# KiCad board pcb.kicad_pcb
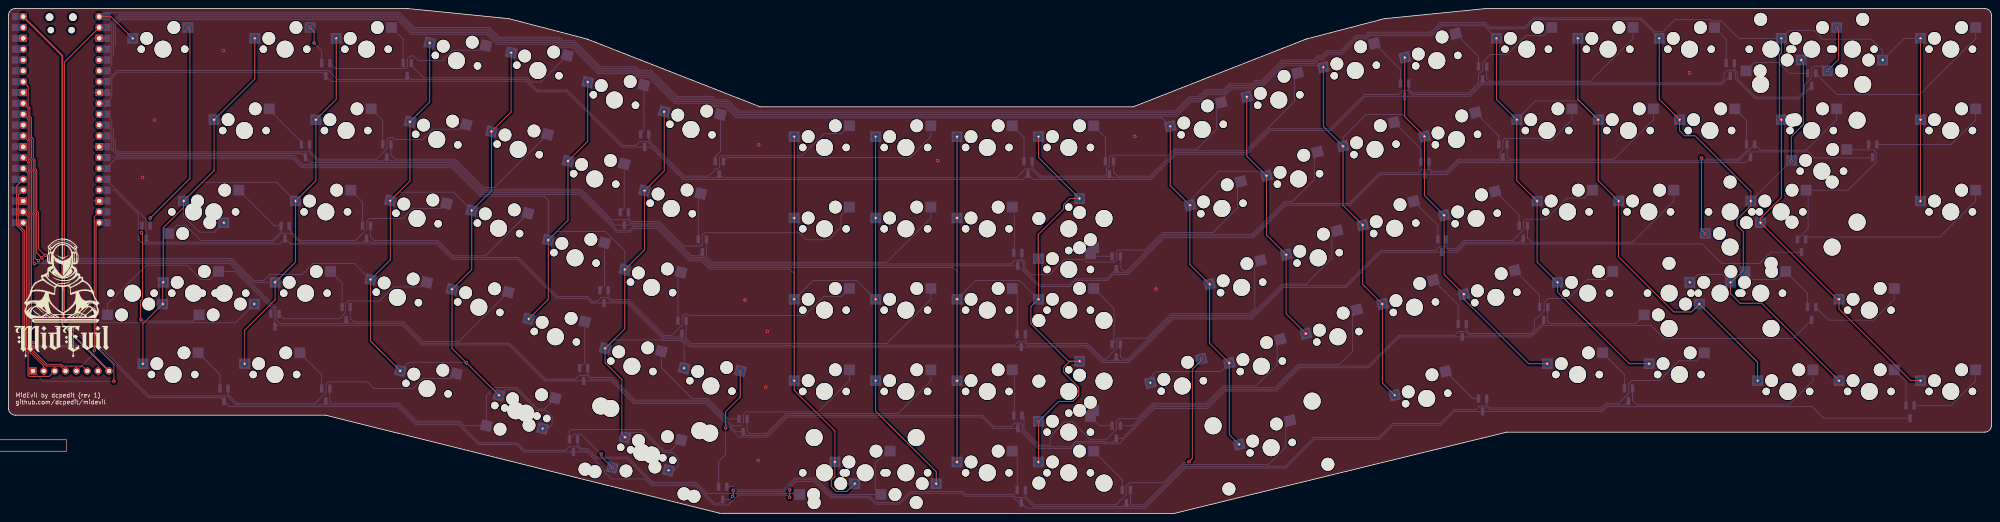
[diagram p0: board, top side]
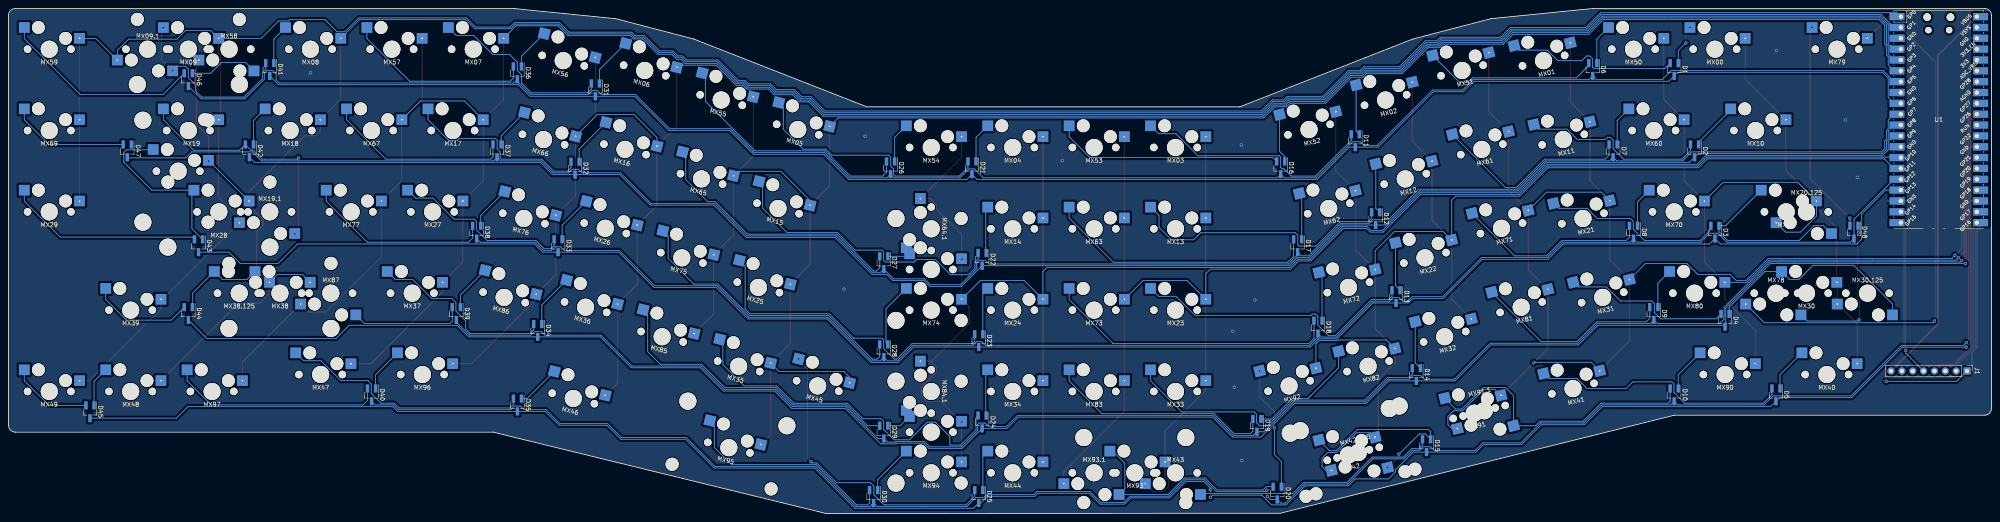
[diagram p1: board, bottom side, seen from below]

Outline 463.96 x 118.27 mm; copper layers: Top, Bottom. Coordinates in mm from the lower left corner of the outline.
Outline path: 0,116.68 0,24.61 arc(0.46,23.48) 1.59,23.02 74.17,23.02 166.42,0.04 272.67,0 350.52,19.05 462.38,19.05 arc(463.5,19.51) 463.96,20.64 463.96,116.68 arc(463.5,117.8) 462.38,118.27 345.69,118.27 321.88,115.89 303.63,111.12 263.14,95.25 175.83,95.25 135.35,111.12 117.09,115.89 93.28,118.27 1.59,118.27 arc(0.46,117.8) 0,116.68

## Placement (name value [footprint] x y rotation side)
D1  BAV70  [SOT-23_Handsoldering]  74.23 103.98 270 bottom
D2  BAV70  [SOT-23_Handsoldering]  69.47 84.93 270 bottom
D3  BAV70  [SOT-23_Handsoldering]  64.71 65.88 270 bottom
D4  BAV70  [SOT-23_Handsoldering]  62.33 45.24 270 bottom
D5  BAV70  [SOT-23_Handsoldering]  50.42 27.78 270 bottom
D6  BAV70  [SOT-23_Handsoldering]  93.28 103.98 270 bottom
D7  BAV70  [SOT-23_Handsoldering]  88.52 84.93 270 bottom
D8  BAV70  [SOT-23_Handsoldering]  83.76 65.88 270 bottom
D9  BAV70  [SOT-23_Handsoldering]  78.99 46.83 270 bottom
D10  BAV70  [SOT-23_Handsoldering]  74.23 27.78 270 bottom
D11  BAV70  [SOT-23_Handsoldering]  148.84 87.31 270 bottom
D12  BAV70  [SOT-23_Handsoldering]  144.08 69.06 270 bottom
D13  BAV70  [SOT-23_Handsoldering]  139.32 50.8 270 bottom
D14  BAV70  [SOT-23_Handsoldering]  134.56 32.54 270 bottom
D15  BAV70  [SOT-23_Handsoldering]  132.18 15.88 270 bottom
D16  BAV70  [SOT-23_Handsoldering]  166.31 80.96 270 bottom
D17  BAV70  [SOT-23_Handsoldering]  162.34 62.71 270 bottom
D18  BAV70  [SOT-23_Handsoldering]  157.58 43.66 270 bottom
D19  BAV70  [SOT-23_Handsoldering]  171.86 20.64 270 bottom
D20  BAV70  [SOT-23_Handsoldering]  167.1 4.76 270 bottom
D21  BAV70  [SOT-23_Handsoldering]  238.54 80.96 270 bottom
D22  BAV70  [SOT-23_Handsoldering]  236.16 59.53 270 bottom
D23  BAV70  [SOT-23_Handsoldering]  236.95 40.48 270 bottom
D24  BAV70  [SOT-23_Handsoldering]  236.16 21.43 270 bottom
D25  BAV70  [SOT-23_Handsoldering]  236.95 3.97 270 bottom
D26  BAV70  [SOT-23_Handsoldering]  257.59 80.96 270 bottom
D27  BAV70  [SOT-23_Handsoldering]  259.18 58.74 270 bottom
D28  BAV70  [SOT-23_Handsoldering]  259.18 38.1 270 bottom
D29  BAV70  [SOT-23_Handsoldering]  259.18 19.05 270 bottom
D30  BAV70  [SOT-23_Handsoldering]  261.56 3.97 270 bottom
D31  BAV70  [SOT-23_Handsoldering]  326.64 99.22 270 bottom
D32  BAV70  [SOT-23_Handsoldering]  331.41 80.88 270 bottom
D33  BAV70  [SOT-23_Handsoldering]  335.38 62.71 270 bottom
D34  BAV70  [SOT-23_Handsoldering]  340.14 42.86 270 bottom
D35  BAV70  [SOT-23_Handsoldering]  344.9 25.4 270 bottom
D36  BAV70  [SOT-23_Handsoldering]  344.9 103.19 270 bottom
D37  BAV70  [SOT-23_Handsoldering]  349.66 84.93 270 bottom
D38  BAV70  [SOT-23_Handsoldering]  354.43 65.88 270 bottom
D39  BAV70  [SOT-23_Handsoldering]  359.19 46.83 270 bottom
D40  BAV70  [SOT-23_Handsoldering]  379.03 27.78 270 bottom
D41  BAV70  [SOT-23_Handsoldering]  402.84 103.98 270 bottom
D42  BAV70  [SOT-23_Handsoldering]  407.61 84.93 270 bottom
D43  BAV70  [SOT-23_Handsoldering]  419.51 62.71 270 bottom
D44  BAV70  [SOT-23_Handsoldering]  421.89 46.83 270 bottom
D45  BAV70  [SOT-23_Handsoldering]  444.91 23.81 270 bottom
D46  BAV70  [SOT-23_Handsoldering]  421.89 101.6 270 bottom
D47  BAV70  [SOT-23_Handsoldering]  436.18 84.93 270 bottom
D48  BAV70  [SOT-23_Handsoldering]  32.16 65.88 270 bottom
G***  LOGO  [midevil]  12.45 50.39 0 top
J1  Conn_01x08_Socket  [PinHeader_1x08_P2.54mm_Vertical]  5.71 33.37 270 bottom
MX00  MX-NoLED  [MXOnly-1U-Hotswap_w_VIA]  64.71 108.74 0 top
MX01  MX-NoLED  [MXOnly-1U-Hotswap_w_VIA]  104.8 106.06 346 top
MX02  MX-NoLED  [MXOnly-1U-Hotswap_w_VIA]  141.77 96.84 346 top
MX03  MX-NoLED  [MXOnly-1U-Hotswap_w_VIA]  190.91 85.73 0 top
MX04  MX-NoLED  [MXOnly-1U-Hotswap_w_VIA]  229.01 85.73 0 top
MX05  MX-NoLED  [MXOnly-1U-Hotswap_w_VIA]  279.3 89.92 14 top
MX06  MX-NoLED  [MXOnly-1U-Hotswap_w_VIA]  315.12 103.76 14 top
MX07  MX-NoLED  [MXOnly-1U-Hotswap_w_VIA]  355.22 108.74 0 top
MX08  MX-NoLED  [MXOnly-1U-Hotswap_w_VIA]  393.32 108.74 0 top
MX09  MX-NoLED  [MXOnly-2U-Hotswap_w_VIA]  421.89 108.74 0 top
MX09.1  MX-NoLED  [MXOnly-1U-Hotswap_w_VIA]  431.42 108.74 180 top
MX10  MX-NoLED  [MXOnly-1.5U-Hotswap_w_VIA]  55.18 89.69 0 top
MX11  MX-NoLED  [MXOnly-1U-Hotswap_w_VIA]  100.19 87.58 346 top
MX12  MX-NoLED  [MXOnly-1U-Hotswap_w_VIA]  137.16 78.36 346 top
MX13  MX-NoLED  [MXOnly-1U-Hotswap_w_VIA]  190.91 66.68 0 top
MX14  MX-NoLED  [MXOnly-1U-Hotswap_w_VIA]  229.01 66.68 0 top
MX15  MX-NoLED  [MXOnly-1U-Hotswap_w_VIA]  283.91 71.44 14 top
MX16  MX-NoLED  [MXOnly-1U-Hotswap_w_VIA]  319.73 85.28 14 top
MX17  MX-NoLED  [MXOnly-1U-Hotswap_w_VIA]  359.98 89.69 0 top
MX18  MX-NoLED  [MXOnly-1U-Hotswap_w_VIA]  398.08 89.69 0 top
MX19  MX-NoLED  [MXOnly-1.5U-Hotswap_w_VIA]  421.89 89.69 0 top
MX19.1  MX-NoLED  [MXOnly-1U-Hotswap_w_VIA]  402.84 70.64 180 top
MX20  MX-NoLED  [MXOnly-1.75U-Hotswap_w_VIA]  48.04 70.64 0 top
MX20.125  MX-NoLED  [MXOnly-1.25U-Hotswap_w_VIA]  43.28 70.64 180 top
MX21  MX-NoLED  [MXOnly-1U-Hotswap_w_VIA]  95.58 69.09 346 top
MX22  MX-NoLED  [MXOnly-1U-Hotswap_w_VIA]  132.55 59.88 346 top
MX23  MX-NoLED  [MXOnly-1U-Hotswap_w_VIA]  190.91 47.62 0 top
MX24  MX-NoLED  [MXOnly-1U-Hotswap_w_VIA]  229.01 47.62 0 top
MX25  MX-NoLED  [MXOnly-1U-Hotswap_w_VIA]  288.52 52.96 14 top
MX26  MX-NoLED  [MXOnly-1U-Hotswap_w_VIA]  324.34 66.79 14 top
MX27  MX-NoLED  [MXOnly-1U-Hotswap_w_VIA]  364.74 70.64 0 top
MX28  MX-NoLED  [MXOnly-2.25U-Hotswap_w_VIA]  414.75 70.64 0 top
MX28.2  MX-NoLED  [MXOnly-ISO-Hotswap]  424.28 80.17 0 top
MX29  MX-NoLED  [MXOnly-1U-Hotswap_w_VIA]  454.44 70.64 0 top
MX30  MX-NoLED  [MXOnly-1.75U-Hotswap_w_VIA]  43.28 51.59 0 top
MX30.125  MX-NoLED  [MXOnly-1.25U-Hotswap_w_VIA]  28.99 51.59 180 top
MX31  MX-NoLED  [MXOnly-1U-Hotswap_w_VIA]  90.97 50.61 346 top
MX32  MX-NoLED  [MXOnly-1U-Hotswap_w_VIA]  127.94 41.39 346 top
MX33  MX-NoLED  [MXOnly-1U-Hotswap_w_VIA]  190.91 28.57 0 top
MX34  MX-NoLED  [MXOnly-1U-Hotswap_w_VIA]  229.01 28.57 0 top
MX35  MX-NoLED  [MXOnly-1U-Hotswap_w_VIA]  293.13 34.47 14 top
MX36  MX-NoLED  [MXOnly-1U-Hotswap_w_VIA]  328.94 48.31 14 top
MX37  MX-NoLED  [MXOnly-1U-Hotswap_w_VIA]  369.51 51.59 0 top
MX38  MX-NoLED  [MXOnly-2.25U-Hotswap_w_VIA]  400.46 51.59 0 top
MX38.125  MX-NoLED  [MXOnly-1.25U-Hotswap_w_VIA]  409.99 51.59 0 top
MX39  MX-NoLED  [MXOnly-1U-Hotswap_w_VIA]  435.39 47.62 0 top
MX40  MX-NoLED  [MXOnly-1.25U-Hotswap_w_VIA]  38.51 32.54 0 top
MX41  MX-NoLED  [MXOnly-1.25U-Hotswap_w_VIA]  97.92 29.24 346 top
MX42  MX-NoLED  [MXOnly-2U-Hotswap-ReversedStabilizers_w_VIA]  150.48 13.68 346 top
MX42.225  MX-NoLED  [MXOnly-2.25U-Hotswap_w_VIA]  148.16 14.27 166 top
MX43  MX-NoLED  [MXOnly-1U-Hotswap_w_VIA]  190.91 9.53 180 top
MX44  MX-NoLED  [MXOnly-1U-Hotswap_w_VIA]  229.01 9.53 0 top
MX45  MX-NoLED  [MXOnly-1U-Hotswap_w_VIA]  274.64 29.86 14 top
MX46  MX-NoLED  [MXOnly-1.25U-Hotswap_w_VIA]  331.82 26.94 14 top
MX47  MX-NoLED  [MXOnly-1.25U-Hotswap_w_VIA]  390.94 32.54 0 top
MX48  MX-NoLED  [MXOnly-1U-Hotswap_w_VIA]  435.39 28.57 0 top
MX49  MX-NoLED  [MXOnly-1U-Hotswap_w_VIA]  454.44 28.57 0 top
MX50  MX-NoLED  [MXOnly-1U-Hotswap_w_VIA]  83.76 108.74 0 top
MX51  MX-NoLED  [MXOnly-1U-Hotswap_w_VIA]  123.86 103.76 346 top
MX52  MX-NoLED  [MXOnly-1U-Hotswap_w_VIA]  159.67 89.92 346 top
MX53  MX-NoLED  [MXOnly-1U-Hotswap_w_VIA]  209.96 85.73 0 top
MX54  MX-NoLED  [MXOnly-1U-Hotswap_w_VIA]  248.06 85.73 0 top
MX55  MX-NoLED  [MXOnly-1U-Hotswap_w_VIA]  297.21 96.84 14 top
MX56  MX-NoLED  [MXOnly-1U-Hotswap_w_VIA]  334.18 106.06 14 top
MX57  MX-NoLED  [MXOnly-1U-Hotswap_w_VIA]  374.27 108.74 0 top
MX58  MX-NoLED  [MXOnly-1U-Hotswap_w_VIA]  412.37 108.74 180 top
MX59  MX-NoLED  [MXOnly-1U-Hotswap_w_VIA]  454.44 108.74 0 top
MX60  MX-NoLED  [MXOnly-1U-Hotswap_w_VIA]  78.99 89.69 0 top
MX61  MX-NoLED  [MXOnly-1U-Hotswap_w_VIA]  119.25 85.28 346 top
MX62  MX-NoLED  [MXOnly-1U-Hotswap_w_VIA]  155.07 71.44 346 top
MX63  MX-NoLED  [MXOnly-1U-Hotswap_w_VIA]  209.96 66.68 0 top
MX64  MX-NoLED  [MXOnly-2U-Hotswap-VerticalStabilizers]  248.06 57.15 0 top
MX64.1  MX-NoLED  [MXOnly-1U-Hotswap_w_VIA]  248.06 66.68 270 top
MX65  MX-NoLED  [MXOnly-1U-Hotswap_w_VIA]  301.82 78.36 14 top
MX66  MX-NoLED  [MXOnly-1U-Hotswap_w_VIA]  338.79 87.58 14 top
MX67  MX-NoLED  [MXOnly-1U-Hotswap_w_VIA]  379.03 89.69 0 top
MX69  MX-NoLED  [MXOnly-1U-Hotswap_w_VIA]  454.44 89.69 0 top
MX70  MX-NoLED  [MXOnly-1U-Hotswap_w_VIA]  74.23 70.64 0 top
MX71  MX-NoLED  [MXOnly-1U-Hotswap_w_VIA]  114.64 66.79 346 top
MX72  MX-NoLED  [MXOnly-1U-Hotswap_w_VIA]  150.46 52.96 346 top
MX73  MX-NoLED  [MXOnly-1U-Hotswap_w_VIA]  209.96 47.62 0 top
MX74  MX-NoLED  [MXOnly-1U-Hotswap_w_VIA]  248.06 47.62 0 top
MX75  MX-NoLED  [MXOnly-1U-Hotswap_w_VIA]  306.43 59.88 14 top
MX76  MX-NoLED  [MXOnly-1U-Hotswap_w_VIA]  343.4 69.09 14 top
MX77  MX-NoLED  [MXOnly-1U-Hotswap_w_VIA]  383.79 70.64 0 top
MX78  MX-NoLED  [MXOnly-1U-Hotswap_w_VIA]  50.42 51.59 180 top
MX79  MX-NoLED  [MXOnly-1U-Hotswap_w_VIA]  36.13 108.74 0 top
MX80  MX-NoLED  [MXOnly-1U-Hotswap_w_VIA]  69.47 51.59 0 top
MX81  MX-NoLED  [MXOnly-1U-Hotswap_w_VIA]  110.03 48.31 346 top
MX82  MX-NoLED  [MXOnly-1U-Hotswap_w_VIA]  145.85 34.47 346 top
MX83  MX-NoLED  [MXOnly-1U-Hotswap_w_VIA]  209.96 28.57 0 top
MX84  MX-NoLED  [MXOnly-2U-Hotswap-VerticalStabilizers]  248.06 19.05 0 top
MX84.1  MX-NoLED  [MXOnly-1U-Hotswap_w_VIA]  248.06 28.57 270 top
MX85  MX-NoLED  [MXOnly-1U-Hotswap_w_VIA]  311.04 41.39 14 top
MX86  MX-NoLED  [MXOnly-1U-Hotswap_w_VIA]  348 50.61 14 top
MX87  MX-NoLED  [MXOnly-1U-Hotswap_w_VIA]  388.56 51.59 180 top
MX90  MX-NoLED  [MXOnly-1.25U-Hotswap_w_VIA]  62.33 32.54 0 top
MX91  MX-NoLED  [MXOnly-1.25U-Hotswap_w_VIA]  121.02 23.48 346 top
MX91.1  MX-NoLED  [MXOnly-1U-Hotswap_w_VIA]  118.7 24.06 166 top
MX92  MX-NoLED  [MXOnly-1U-Hotswap_w_VIA]  164.33 29.86 346 top
MX93  MX-NoLED  [MXOnly-2U-Hotswap-ReversedStabilizers_w_VIA]  200.44 9.53 0 top
MX93.1  MX-NoLED  [MXOnly-1U-Hotswap_w_VIA]  209.96 9.53 180 top
MX94  MX-NoLED  [MXOnly-1U-Hotswap_w_VIA]  248.06 9.53 0 top
MX95  MX-NoLED  [MXOnly-2.75U-Hotswap-ReversedStabilizers_w_VIA]  295.43 15.41 14 top
MX96  MX-NoLED  [MXOnly-1.25U-Hotswap_w_VIA]  367.13 32.54 0 top
MX97  MX-NoLED  [MXOnly-1U-Hotswap_w_VIA]  416.34 28.57 0 top
REF**  -  [ILI9488 Display]  -4.35 70.64 90 top
U1  Pico  [RPi_Pico_SMD_TH]  12.32 92.25 180 bottom

## Library data of the parts
D1-D48 = -: Description: Dual 100V 215mA high-speed switching diodes, common cathode, SOT-23
J1 = -: Description: Generic connector, single row, 01x08, script generated

## Footprints (pads in the part's own frame, mm; a bottom-side part is the same pattern mirrored in y, then rotated)
MXOnly-1.5U-Hotswap_w_VIA
  round 1.75 hole 1.75 unplated: (-5.08,0) (5.08,0)
  round 3 hole 3 unplated: (-3.81,2.54) (2.54,5.08)
  round 3.988 hole 3.988 unplated: (0,0)
  round 0.8 hole 0.4: 1(-7.085,2.54)
  rect 2.55x2.5 smd far side: 1(-7.085,2.54) 2(5.842,5.08)
MXOnly-1.25U-Hotswap_w_VIA
  round 1.75 hole 1.75 unplated: (-5.08,0) (5.08,0)
  round 3 hole 3 unplated: (-3.81,2.54) (2.54,5.08)
  round 3.988 hole 3.988 unplated: (0,0)
  round 0.8 hole 0.4: 1(-7.085,2.54)
  rect 2.55x2.5 smd far side: 1(-7.085,2.54) 2(5.842,5.08)
MXOnly-1.75U-Hotswap_w_VIA
  round 1.75 hole 1.75 unplated: (-5.08,0) (5.08,0)
  round 3 hole 3 unplated: (-3.81,2.54) (2.54,5.08)
  round 3.988 hole 3.988 unplated: (0,0)
  round 0.8 hole 0.4: 1(-7.085,2.54)
  rect 2.55x2.5 smd far side: 1(-7.085,2.54) 2(5.842,5.08)
MXOnly-1U-Hotswap_w_VIA
  round 1.75 hole 1.75 unplated: (-5.08,0) (5.08,0)
  round 3 hole 3 unplated: (-3.81,2.54) (2.54,5.08)
  round 3.988 hole 3.988 unplated: (0,0)
  round 0.8 hole 0.4: 1(-7.085,2.54)
  rect 2.55x2.5 smd far side: 1(-7.085,2.54) 2(5.842,5.08)
MXOnly-2.25U-Hotswap_w_VIA
  round 3.048 hole 3.048 unplated: (-11.938,6.985) (11.938,6.985)
  round 3.988 hole 3.988 unplated: (-11.938,-8.255) (0,0) (11.938,-8.255)
  round 1.75 hole 1.75 unplated: (-5.08,0) (5.08,0)
  round 3 hole 3 unplated: (-3.81,2.54) (2.54,5.08)
  round 0.8 hole 0.4: 1(-7.085,2.54)
  rect 2.55x2.55 smd far side: 1(-7.085,2.54)
  rect 2.55x2.5 smd far side: 2(5.842,5.08)
MXOnly-2.75U-Hotswap-ReversedStabilizers_w_VIA
  round 3.988 hole 3.988 unplated: (-11.938,8.255) (0,0) (11.938,8.255)
  round 3.048 hole 3.048 unplated: (-11.938,-6.985) (11.938,-6.985)
  round 1.75 hole 1.75 unplated: (-5.08,0) (5.08,0)
  round 3 hole 3 unplated: (-3.81,2.54) (2.54,5.08)
  round 0.8 hole 0.4: 1(-7.085,2.54)
  rect 2.55x2.5 smd far side: 1(-7.085,2.54) 2(5.842,5.08)
MXOnly-2U-Hotswap-ReversedStabilizers_w_VIA
  round 3.988 hole 3.988 unplated: (-11.938,8.255) (0,0) (11.938,8.255)
  round 3.048 hole 3.048 unplated: (-11.938,-6.985) (11.938,-6.985)
  round 1.75 hole 1.75 unplated: (-5.08,0) (5.08,0)
  round 3 hole 3 unplated: (-3.81,2.54) (2.54,5.08)
  round 0.8 hole 0.4: 1(-7.085,2.54)
  rect 2.55x2.5 smd far side: 1(-7.085,2.54) 2(5.842,5.08)
MXOnly-2U-Hotswap-VerticalStabilizers
  round 3.048 hole 3.048 unplated: (-6.985,11.938) (-6.985,-11.938)
  round 1.75 hole 1.75 unplated: (-5.08,0) (5.08,0)
  round 3 hole 3 unplated: (-3.81,2.54) (2.54,5.08)
  round 3.988 hole 3.988 unplated: (0,0) (8.255,11.938) (8.255,-11.938)
  rect 2.55x2.5 smd far side: 1(-7.085,2.54) 2(5.842,5.08)
MXOnly-2U-Hotswap_w_VIA
  round 3.048 hole 3.048 unplated: (-11.938,6.985) (11.938,6.985)
  round 3.988 hole 3.988 unplated: (-11.938,-8.255) (0,0) (11.938,-8.255)
  round 1.75 hole 1.75 unplated: (-5.08,0) (5.08,0)
  round 3 hole 3 unplated: (-3.81,2.54) (2.54,5.08)
  round 0.8 hole 0.4: 1(-7.085,2.54)
  rect 2.55x2.5 smd far side: 1(-7.085,2.54) 2(5.842,5.08)
MXOnly-ISO-Hotswap
  round 3.048 hole 3.048 unplated: (-6.985,11.938) (-6.985,-11.938)
  round 1.75 hole 1.75 unplated: (-5.08,0) (5.08,0)
  round 3 hole 3 unplated: (-3.81,2.54) (2.54,5.08)
  round 3.988 hole 3.988 unplated: (0,0) (8.255,11.938) (8.255,-11.938)
  rect 2.55x2.5 smd far side: 1(-7.085,2.54) 2(5.842,5.08)
PinHeader_1x08_P2.54mm_Vertical
  rect 1.7x1.7 hole 1: 1(0,0)
  oval 1.7x1.7 hole 1: 2(0,-2.54) 3(0,-5.08) 4(0,-7.62) 5(0,-10.16) 6(0,-12.7) 7(0,-15.24) 8(0,-17.78)
RPi_Pico_SMD_TH
  oval 1.8x1.8 hole 1.8 unplated: (-2.725,24) (2.725,24)
  oval 1.5x1.5 hole 1.5 unplated: (-2.425,20.97) (2.425,20.97)
  oval 1.7x1.7 hole 1.02: 1(-8.89,24.13) 2(-8.89,21.59) 4(-8.89,16.51) 5(-8.89,13.97) 6(-8.89,11.43) 7(-8.89,8.89) 9(-8.89,3.81) 10(-8.89,1.27) 11(-8.89,-1.27) 12(-8.89,-3.81) 14(-8.89,-8.89) 15(-8.89,-11.43) 16(-8.89,-13.97) 17(-8.89,-16.51) 19(-8.89,-21.59) 20(-8.89,-24.13) 21(8.89,-24.13) 22(8.89,-21.59) 24(8.89,-16.51) 25(8.89,-13.97) 26(8.89,-11.43) 27(8.89,-8.89) 29(8.89,-3.81) 30(8.89,-1.27) 31(8.89,1.27) 32(8.89,3.81) 34(8.89,8.89) 35(8.89,11.43) 36(8.89,13.97) 37(8.89,16.51) 39(8.89,21.59) 40(8.89,24.13)
  rect 3.5x1.7 smd: 1(-8.89,24.13) 2(-8.89,21.59) 3(-8.89,19.05) 4(-8.89,16.51) 5(-8.89,13.97) 6(-8.89,11.43) 7(-8.89,8.89) 8(-8.89,6.35) 9(-8.89,3.81) 10(-8.89,1.27) 11(-8.89,-1.27) 12(-8.89,-3.81) 13(-8.89,-6.35) 14(-8.89,-8.89) 15(-8.89,-11.43) 16(-8.89,-13.97) 17(-8.89,-16.51) 18(-8.89,-19.05) 19(-8.89,-21.59) 20(-8.89,-24.13) 21(8.89,-24.13) 22(8.89,-21.59) 23(8.89,-19.05) 24(8.89,-16.51) 25(8.89,-13.97) 26(8.89,-11.43) 27(8.89,-8.89) 28(8.89,-6.35) 29(8.89,-3.81) 30(8.89,-1.27) 31(8.89,1.27) 32(8.89,3.81) 33(8.89,6.35) 34(8.89,8.89) 35(8.89,11.43) 36(8.89,13.97) 37(8.89,16.51) 38(8.89,19.05) 39(8.89,21.59) 40(8.89,24.13)
  rect 1.7x1.7 hole 1.02: 3(-8.89,19.05) 8(-8.89,6.35) 13(-8.89,-6.35) 18(-8.89,-19.05) 23(8.89,-19.05) 28(8.89,-6.35) 33(8.89,6.35) 38(8.89,19.05)
SOT-23_Handsoldering
  rect 1.9x0.8 smd: 1(-1.5,0.95) 2(-1.5,-0.95) 3(1.5,0)

## Nets
+5V: J1.8 U1.40
GND: J1.7 U1.3 U1.8 U1.13 U1.18 U1.23 U1.28 U1.38
COL0: MX00.1 MX10.1 MX20.1 MX20.125.1 MX30.1 MX30.125.1 MX40.1 MX50.1 MX60.1 MX70.1 MX80.1 MX90.1 U1.32
COL1: MX01.1 MX11.1 MX21.1 MX31.1 MX41.1 MX51.1 MX61.1 MX71.1 MX81.1 MX91.1 MX91.1.1 U1.34
COL2: MX02.1 MX12.1 MX22.1 MX32.1 MX42.1 MX42.225.1 MX52.1 MX62.1 MX72.1 MX82.1 MX92.1 U1.15
COL3: MX03.1 MX13.1 MX23.1 MX33.1 MX43.1 MX53.1 MX63.1 MX73.1 MX83.1 MX93.1 MX93.1.1 U1.14
COL4: MX04.1 MX14.1 MX24.1 MX34.1 MX44.1 MX54.1 MX64.1 MX64.1.1 MX74.1 MX84.1 MX84.1.1 MX94.1 U1.12
COL5: MX05.1 MX15.1 MX25.1 MX35.1 MX45.1 MX55.1 MX65.1 MX75.1 MX85.1 MX95.1 U1.6
COL6: MX06.1 MX16.1 MX26.1 MX36.1 MX46.1 MX56.1 MX66.1 MX76.1 MX86.1 MX96.1 U1.5
COL7: MX07.1 MX17.1 MX27.1 MX37.1 MX47.1 MX57.1 MX67.1 MX77.1 MX87.1 MX97.1 U1.4
COL8: MX08.1 MX18.1 MX28.1 MX28.2.1 MX38.1 MX38.125.1 MX48.1 MX58.1 MX78.1 U1.2
COL9: MX09.1 MX09.1.1 MX19.1 MX19.1.1 MX29.1 MX39.1 MX49.1 MX59.1 MX69.1 MX79.1 U1.1
LCD_CS: J1.6 U1.22
LCD_DC: J1.4 U1.21
LCD_LED: J1.1 U1.20
LCD_RST: J1.5 U1.19
LCD_SCK: J1.2 U1.24
LCD_SDA: J1.3 U1.25
ROW0: D1.3 D11.3 D21.3 D31.3 D41.3 U1.9
ROW1: D2.3 D12.3 D22.3 D32.3 D42.3 U1.11
ROW2: D3.3 D13.3 D23.3 D33.3 D43.3 U1.17
ROW3: D4.3 D14.3 D24.3 D34.3 D44.3 U1.29
ROW4: D5.3 D15.3 D25.3 D35.3 D45.3 U1.26
ROW5: D6.3 D16.3 D26.3 D36.3 D46.3 U1.7
ROW6: D7.3 D17.3 D27.3 D37.3 D47.3 U1.10
ROW7: D8.3 D18.3 D28.3 D38.3 D48.3 U1.16
ROW8: D9.3 D19.3 D29.3 D39.3 U1.31
ROW9: D10.3 D20.3 D30.3 D40.3 U1.27
Net-(MX00-ROW): D1.1 MX00.2
Net-(MX01-ROW): D1.2 MX01.2
Net-(MX02-ROW): D11.1 MX02.2
Net-(MX03-ROW): D11.2 MX03.2
Net-(MX04-ROW): D21.1 MX04.2
Net-(MX05-ROW): D21.2 MX05.2
Net-(MX06-ROW): D31.1 MX06.2
Net-(MX07-ROW): D31.2 MX07.2
Net-(MX08-ROW): D41.1 MX08.2
Net-(MX09-ROW): D41.2 MX09.2 MX09.1.2
Net-(MX10-ROW): D2.1 MX10.2
Net-(MX11-ROW): D2.2 MX11.2
Net-(MX12-ROW): D12.1 MX12.2
Net-(MX13-ROW): D12.2 MX13.2
Net-(MX14-ROW): D22.1 MX14.2
Net-(MX15-ROW): D22.2 MX15.2
Net-(MX16-ROW): D32.1 MX16.2
Net-(MX17-ROW): D32.2 MX17.2
Net-(MX18-ROW): D42.1 MX18.2
Net-(MX19-ROW): D42.2 MX19.2 MX19.1.2
Net-(MX20-ROW): D3.1 MX20.2 MX20.125.2
Net-(MX21-ROW): D3.2 MX21.2
Net-(MX22-ROW): D13.1 MX22.2
Net-(MX23-ROW): D13.2 MX23.2
Net-(MX24-ROW): D23.1 MX24.2
Net-(MX25-ROW): D23.2 MX25.2
Net-(MX26-ROW): D33.1 MX26.2
Net-(MX27-ROW): D33.2 MX27.2
Net-(MX28-ROW): D43.1 MX28.2 MX28.2.2
Net-(MX29-ROW): D43.2 MX29.2
Net-(MX30-ROW): D4.1 MX30.2 MX30.125.2
Net-(MX31-ROW): D4.2 MX31.2
Net-(MX32-ROW): D14.1 MX32.2
Net-(MX33-ROW): D14.2 MX33.2
Net-(MX34-ROW): D24.1 MX34.2
Net-(MX35-ROW): D24.2 MX35.2
Net-(MX36-ROW): D34.1 MX36.2
Net-(MX37-ROW): D34.2 MX37.2
Net-(MX38-ROW): D44.1 MX38.2 MX38.125.2
Net-(MX39-ROW): D44.2 MX39.2
Net-(MX40-ROW): D5.1 MX40.2
Net-(MX41-ROW): D5.2 MX41.2
Net-(MX42-ROW): D15.1 MX42.2 MX42.225.2
Net-(MX43-ROW): D15.2 MX43.2
Net-(MX44-ROW): D25.1 MX44.2
Net-(MX45-ROW): D25.2 MX45.2
Net-(MX46-ROW): D35.1 MX46.2
Net-(MX47-ROW): D35.2 MX47.2
Net-(MX48-ROW): D45.1 MX48.2
Net-(MX49-ROW): D45.2 MX49.2
Net-(MX50-ROW): D6.1 MX50.2
Net-(MX51-ROW): D6.2 MX51.2
Net-(MX52-ROW): D16.1 MX52.2
Net-(MX53-ROW): D16.2 MX53.2
Net-(MX54-ROW): D26.1 MX54.2
Net-(MX55-ROW): D26.2 MX55.2
Net-(MX56-ROW): D36.1 MX56.2
Net-(MX57-ROW): D36.2 MX57.2
Net-(MX58-ROW): D46.1 MX58.2
Net-(MX59-ROW): D46.2 MX59.2
Net-(MX60-ROW): D7.1 MX60.2
Net-(MX61-ROW): D7.2 MX61.2
Net-(MX62-ROW): D17.1 MX62.2
Net-(MX63-ROW): D17.2 MX63.2
Net-(MX64-ROW): D27.1 MX64.2 MX64.1.2
Net-(MX65-ROW): D27.2 MX65.2
Net-(MX66-ROW): D37.1 MX66.2
Net-(MX67-ROW): D37.2 MX67.2
Net-(MX69-ROW): D47.2 MX69.2
Net-(MX70-ROW): D8.1 MX70.2
Net-(MX71-ROW): D8.2 MX71.2
Net-(MX72-ROW): D18.1 MX72.2
Net-(MX73-ROW): D18.2 MX73.2
Net-(MX74-ROW): D28.1 MX74.2
Net-(MX75-ROW): D28.2 MX75.2
Net-(MX76-ROW): D38.1 MX76.2
Net-(MX77-ROW): D38.2 MX77.2
Net-(MX78-ROW): D48.1 MX78.2
Net-(MX79-ROW): D48.2 MX79.2
Net-(MX80-ROW): D9.1 MX80.2
Net-(MX81-ROW): D9.2 MX81.2
Net-(MX82-ROW): D19.1 MX82.2
Net-(MX83-ROW): D19.2 MX83.2
Net-(MX84-ROW): D29.1 MX84.2 MX84.1.2
Net-(MX85-ROW): D29.2 MX85.2
Net-(MX86-ROW): D39.1 MX86.2
Net-(MX87-ROW): D39.2 MX87.2
Net-(MX90-ROW): D10.1 MX90.2
Net-(MX91-ROW): D10.2 MX91.2 MX91.1.2
Net-(MX92-ROW): D20.1 MX92.2
Net-(MX93-ROW): D20.2 MX93.2 MX93.1.2
Net-(MX94-ROW): D30.1 MX94.2
Net-(MX95-ROW): D30.2 MX95.2
Net-(MX96-ROW): D40.1 MX96.2
Net-(MX97-ROW): D40.2 MX97.2

Pads without a net: D47 1; U1 30 33 35 36 37 39

## Via types
v1: diameter 0.8, hole 0.4, Top to Bottom, 45 vias
